# Allegro board 038RT-9068CJK8E-A100_0921.brd (continued)
## Footprints (pads in the part's own frame, mm; a bottom-side part is the same pattern mirrored in y, then rotated) (continued)
PG_3680_LPC128_B_SLOT3
  custom 0.305x0.305 hole 0.356 rot 135: A1(101.905,90.321) A3(101.905,94.321) A5(101.905,98.321) A7(101.905,102.321) A9(101.905,106.321) A11(101.905,110.321) A13(101.905,114.321) A15(101.905,118.321) A17(101.905,122.321) A19(101.905,126.321) A21(101.905,130.321) A23(101.905,134.321) A25(101.905,138.321) A27(101.905,142.321) B2(99.905,92.321) B4(99.905,96.321) B6(99.905,100.321) B8(99.905,104.321) B10(99.905,108.321) B12(99.905,112.321) B14(99.905,116.321) B16(99.905,120.321) B18(99.905,124.321) B20(99.905,128.321) B22(99.905,132.321) B24(99.905,136.321) B26(99.905,140.321) C1(97.905,90.321) C3(97.905,94.321) C5(97.905,98.321) C7(97.905,102.321) C9(97.905,106.321) C11(97.905,110.321) C13(97.905,114.321) C15(97.905,118.321) C17(97.905,122.321) C19(97.905,126.321) C21(97.905,130.321) C23(97.905,134.321) C25(97.905,138.321) C27(97.905,142.321) D2(95.905,92.321) D4(95.905,96.321) D6(95.905,100.321) D8(95.905,104.321) D10(95.905,108.321) D12(95.905,112.321) D14(95.905,116.321) D16(95.905,120.321) D18(95.905,124.321) D20(95.905,128.321) D22(95.905,132.321) D24(95.905,136.321) D26(95.905,140.321)
  round 0.864 hole 0.356: A2(101.905,92.321) A4(101.905,96.321) A6(101.905,100.321) A8(101.905,104.321) A10(101.905,108.321) A12(101.905,112.321) A14(101.905,116.321) A16(101.905,120.321) A18(101.905,124.321) A20(101.905,128.321) A22(101.905,132.321) A24(101.905,136.321) A26(101.905,140.321) B1(99.905,90.321) B3(99.905,94.321) B5(99.905,98.321) B7(99.905,102.321) B9(99.905,106.321) B11(99.905,110.321) B13(99.905,114.321) B15(99.905,118.321) B17(99.905,122.321) B19(99.905,126.321) B21(99.905,130.321) B23(99.905,134.321) B25(99.905,138.321) B27(99.905,142.321) C2(97.905,92.321) C4(97.905,96.321) C6(97.905,100.321) C8(97.905,104.321) C10(97.905,108.321) C12(97.905,112.321) C14(97.905,116.321) C16(97.905,120.321) C18(97.905,124.321) C20(97.905,128.321) C22(97.905,132.321) C24(97.905,136.321) C26(97.905,140.321) D1(95.905,90.321) D3(95.905,94.321) D5(95.905,98.321) D7(95.905,102.321) D9(95.905,106.321) D11(95.905,110.321) D13(95.905,114.321) D15(95.905,118.321) D17(95.905,122.321) D19(95.905,126.321) D21(95.905,130.321) D23(95.905,134.321) D25(95.905,138.321) D27(95.905,142.321) E1(93.142,91.546) E3(93.142,95.546) E5(93.142,99.546) E7(93.142,103.546) E9(93.142,107.546) E11(93.142,111.546) E13(93.142,115.546) E15(93.142,119.546) E17(93.142,123.546) E19(93.142,127.546) E21(93.142,131.546) E23(93.142,135.546) E25(93.142,139.546) F1(91.412,90.546) F3(91.412,94.546) F5(91.412,98.546) F7(91.412,102.546) F9(91.412,106.546) F11(91.412,110.546) F13(91.412,114.546) F15(91.412,118.546) F17(91.412,122.546) F19(91.412,126.546) F21(91.412,130.546) F23(91.412,134.546) F25(91.412,138.546) F27(91.412,142.546)
  custom 0.305x0.305 hole 0.356 rot 45: E2(93.142,93.546) E4(93.142,97.546) E6(93.142,101.546) E8(93.142,105.546) E10(93.142,109.546) E12(93.142,113.546) E14(93.142,117.546) E16(93.142,121.546) E18(93.142,125.546) E20(93.142,129.546) E22(93.142,133.546) E24(93.142,137.546) E26(93.142,141.546) F2(91.412,92.546) F4(91.412,96.546) F6(91.412,100.546) F8(91.412,104.546) F10(91.412,108.546) F12(91.412,112.546) F14(91.412,116.546) F16(91.412,120.546) F18(91.412,124.546) F20(91.412,128.546) F22(91.412,132.546) F24(91.412,136.546) F26(91.412,140.546)
PG_3680_LPC128_B_SLOT4
  custom 0.305x0.305 hole 0.356 rot 135: A1(-112.55,90.321) A3(-112.55,94.321) A5(-112.55,98.321) A7(-112.55,102.321) A9(-112.55,106.321) A11(-112.55,110.321) A13(-112.55,114.321) A15(-112.55,118.321) A17(-112.55,122.321) A19(-112.55,126.321) A21(-112.55,130.321) A23(-112.55,134.321) A25(-112.55,138.321) A27(-112.55,142.321) B2(-114.55,92.321) B4(-114.55,96.321) B6(-114.55,100.321) B8(-114.55,104.321) B10(-114.55,108.321) B12(-114.55,112.321) B14(-114.55,116.321) B16(-114.55,120.321) B18(-114.55,124.321) B20(-114.55,128.321) B22(-114.55,132.321) B24(-114.55,136.321) B26(-114.55,140.321) C1(-116.55,90.321) C3(-116.55,94.321) C5(-116.55,98.321) C7(-116.55,102.321) C9(-116.55,106.321) C11(-116.55,110.321) C13(-116.55,114.321) C15(-116.55,118.321) C17(-116.55,122.321) C19(-116.55,126.321) C21(-116.55,130.321) C23(-116.55,134.321) C25(-116.55,138.321) C27(-116.55,142.321) D2(-118.55,92.321) D4(-118.55,96.321) D6(-118.55,100.321) D8(-118.55,104.321) D10(-118.55,108.321) D12(-118.55,112.321) D14(-118.55,116.321) D16(-118.55,120.321) D18(-118.55,124.321) D20(-118.55,128.321) D22(-118.55,132.321) D24(-118.55,136.321) D26(-118.55,140.321)
  round 0.864 hole 0.356: A2(-112.55,92.321) A4(-112.55,96.321) A6(-112.55,100.321) A8(-112.55,104.321) A10(-112.55,108.321) A12(-112.55,112.321) A14(-112.55,116.321) A16(-112.55,120.321) A18(-112.55,124.321) A20(-112.55,128.321) A22(-112.55,132.321) A24(-112.55,136.321) A26(-112.55,140.321) B1(-114.55,90.321) B3(-114.55,94.321) B5(-114.55,98.321) B7(-114.55,102.321) B9(-114.55,106.321) B11(-114.55,110.321) B13(-114.55,114.321) B15(-114.55,118.321) B17(-114.55,122.321) B19(-114.55,126.321) B21(-114.55,130.321) B23(-114.55,134.321) B25(-114.55,138.321) B27(-114.55,142.321) C2(-116.55,92.321) C4(-116.55,96.321) C6(-116.55,100.321) C8(-116.55,104.321) C10(-116.55,108.321) C12(-116.55,112.321) C14(-116.55,116.321) C16(-116.55,120.321) C18(-116.55,124.321) C20(-116.55,128.321) C22(-116.55,132.321) C24(-116.55,136.321) C26(-116.55,140.321) D1(-118.55,90.321) D3(-118.55,94.321) D5(-118.55,98.321) D7(-118.55,102.321) D9(-118.55,106.321) D11(-118.55,110.321) D13(-118.55,114.321) D15(-118.55,118.321) D17(-118.55,122.321) D19(-118.55,126.321) D21(-118.55,130.321) D23(-118.55,134.321) D25(-118.55,138.321) D27(-118.55,142.321) E1(-121.313,91.546) E3(-121.313,95.546) E5(-121.313,99.546) E7(-121.313,103.546) E9(-121.313,107.546) E11(-121.313,111.546) E13(-121.313,115.546) E15(-121.313,119.546) E17(-121.313,123.546) E19(-121.313,127.546) E21(-121.313,131.546) E23(-121.313,135.546) E25(-121.313,139.546) F1(-123.043,90.546) F3(-123.043,94.546) F5(-123.043,98.546) F7(-123.043,102.546) F9(-123.043,106.546) F11(-123.043,110.546) F13(-123.043,114.546) F15(-123.043,118.546) F17(-123.043,122.546) F19(-123.043,126.546) F21(-123.043,130.546) F23(-123.043,134.546) F25(-123.043,138.546) F27(-123.043,142.546)
  custom 0.305x0.305 hole 0.356 rot 45: E2(-121.313,93.546) E4(-121.313,97.546) E6(-121.313,101.546) E8(-121.313,105.546) E10(-121.313,109.546) E12(-121.313,113.546) E14(-121.313,117.546) E16(-121.313,121.546) E18(-121.313,125.546) E20(-121.313,129.546) E22(-121.313,133.546) E24(-121.313,137.546) E26(-121.313,141.546) F2(-123.043,92.546) F4(-123.043,96.546) F6(-123.043,100.546) F8(-123.043,104.546) F10(-123.043,108.546) F12(-123.043,112.546) F14(-123.043,116.546) F16(-123.043,120.546) F18(-123.043,124.546) F20(-123.043,128.546) F22(-123.043,132.546) F24(-123.043,136.546) F26(-123.043,140.546)
PG_3680_LPC128_B_SLOT5
  custom 0.305x0.305 hole 0.356 rot 135: A1(126.925,90.321) A3(126.925,94.321) A5(126.925,98.321) A7(126.925,102.321) A9(126.925,106.321) A11(126.925,110.321) A13(126.925,114.321) A15(126.925,118.321) A17(126.925,122.321) A19(126.925,126.321) A21(126.925,130.321) A23(126.925,134.321) A25(126.925,138.321) A27(126.925,142.321) B2(124.925,92.321) B4(124.925,96.321) B6(124.925,100.321) B8(124.925,104.321) B10(124.925,108.321) B12(124.925,112.321) B14(124.925,116.321) B16(124.925,120.321) B18(124.925,124.321) B20(124.925,128.321) B22(124.925,132.321) B24(124.925,136.321) B26(124.925,140.321) C1(122.925,90.321) C3(122.925,94.321) C5(122.925,98.321) C7(122.925,102.321) C9(122.925,106.321) C11(122.925,110.321) C13(122.925,114.321) C15(122.925,118.321) C17(122.925,122.321) C19(122.925,126.321) C21(122.925,130.321) C23(122.925,134.321) C25(122.925,138.321) C27(122.925,142.321) D2(120.925,92.321) D4(120.925,96.321) D6(120.925,100.321) D8(120.925,104.321) D10(120.925,108.321) D12(120.925,112.321) D14(120.925,116.321) D16(120.925,120.321) D18(120.925,124.321) D20(120.925,128.321) D22(120.925,132.321) D24(120.925,136.321) D26(120.925,140.321)
  round 0.864 hole 0.356: A2(126.925,92.321) A4(126.925,96.321) A6(126.925,100.321) A8(126.925,104.321) A10(126.925,108.321) A12(126.925,112.321) A14(126.925,116.321) A16(126.925,120.321) A18(126.925,124.321) A20(126.925,128.321) A22(126.925,132.321) A24(126.925,136.321) A26(126.925,140.321) B1(124.925,90.321) B3(124.925,94.321) B5(124.925,98.321) B7(124.925,102.321) B9(124.925,106.321) B11(124.925,110.321) B13(124.925,114.321) B15(124.925,118.321) B17(124.925,122.321) B19(124.925,126.321) B21(124.925,130.321) B23(124.925,134.321) B25(124.925,138.321) B27(124.925,142.321) C2(122.925,92.321) C4(122.925,96.321) C6(122.925,100.321) C8(122.925,104.321) C10(122.925,108.321) C12(122.925,112.321) C14(122.925,116.321) C16(122.925,120.321) C18(122.925,124.321) C20(122.925,128.321) C22(122.925,132.321) C24(122.925,136.321) C26(122.925,140.321) D1(120.925,90.321) D3(120.925,94.321) D5(120.925,98.321) D7(120.925,102.321) D9(120.925,106.321) D11(120.925,110.321) D13(120.925,114.321) D15(120.925,118.321) D17(120.925,122.321) D19(120.925,126.321) D21(120.925,130.321) D23(120.925,134.321) D25(120.925,138.321) D27(120.925,142.321) E1(118.162,91.546) E3(118.162,95.546) E5(118.162,99.546) E7(118.162,103.546) E9(118.162,107.546) E11(118.162,111.546) E13(118.162,115.546) E15(118.162,119.546) E17(118.162,123.546) E19(118.162,127.546) E21(118.162,131.546) E23(118.162,135.546) E25(118.162,139.546) F1(116.432,90.546) F3(116.432,94.546) F5(116.432,98.546) F7(116.432,102.546) F9(116.432,106.546) F11(116.432,110.546) F13(116.432,114.546) F15(116.432,118.546) F17(116.432,122.546) F19(116.432,126.546) F21(116.432,130.546) F23(116.432,134.546) F25(116.432,138.546) F27(116.432,142.546)
  custom 0.305x0.305 hole 0.356 rot 45: E2(118.162,93.546) E4(118.162,97.546) E6(118.162,101.546) E8(118.162,105.546) E10(118.162,109.546) E12(118.162,113.546) E14(118.162,117.546) E16(118.162,121.546) E18(118.162,125.546) E20(118.162,129.546) E22(118.162,133.546) E24(118.162,137.546) E26(118.162,141.546) F2(116.432,92.546) F4(116.432,96.546) F6(116.432,100.546) F8(116.432,104.546) F10(116.432,108.546) F12(116.432,112.546) F14(116.432,116.546) F16(116.432,120.546) F18(116.432,124.546) F20(116.432,128.546) F22(116.432,132.546) F24(116.432,136.546) F26(116.432,140.546)
PG_3680_LPC128_B_SLOT6
  custom 0.305x0.305 hole 0.356 rot 135: A1(-137.57,90.321) A3(-137.57,94.321) A5(-137.57,98.321) A7(-137.57,102.321) A9(-137.57,106.321) A11(-137.57,110.321) A13(-137.57,114.321) A15(-137.57,118.321) A17(-137.57,122.321) A19(-137.57,126.321) A21(-137.57,130.321) A23(-137.57,134.321) A25(-137.57,138.321) A27(-137.57,142.321) B2(-139.57,92.321) B4(-139.57,96.321) B6(-139.57,100.321) B8(-139.57,104.321) B10(-139.57,108.321) B12(-139.57,112.321) B14(-139.57,116.321) B16(-139.57,120.321) B18(-139.57,124.321) B20(-139.57,128.321) B22(-139.57,132.321) B24(-139.57,136.321) B26(-139.57,140.321) C1(-141.57,90.321) C3(-141.57,94.321) C5(-141.57,98.321) C7(-141.57,102.321) C9(-141.57,106.321) C11(-141.57,110.321) C13(-141.57,114.321) C15(-141.57,118.321) C17(-141.57,122.321) C19(-141.57,126.321) C21(-141.57,130.321) C23(-141.57,134.321) C25(-141.57,138.321) C27(-141.57,142.321) D2(-143.57,92.321) D4(-143.57,96.321) D6(-143.57,100.321) D8(-143.57,104.321) D10(-143.57,108.321) D12(-143.57,112.321) D14(-143.57,116.321) D16(-143.57,120.321) D18(-143.57,124.321) D20(-143.57,128.321) D22(-143.57,132.321) D24(-143.57,136.321) D26(-143.57,140.321)
  round 0.864 hole 0.356: A2(-137.57,92.321) A4(-137.57,96.321) A6(-137.57,100.321) A8(-137.57,104.321) A10(-137.57,108.321) A12(-137.57,112.321) A14(-137.57,116.321) A16(-137.57,120.321) A18(-137.57,124.321) A20(-137.57,128.321) A22(-137.57,132.321) A24(-137.57,136.321) A26(-137.57,140.321) B1(-139.57,90.321) B3(-139.57,94.321) B5(-139.57,98.321) B7(-139.57,102.321) B9(-139.57,106.321) B11(-139.57,110.321) B13(-139.57,114.321) B15(-139.57,118.321) B17(-139.57,122.321) B19(-139.57,126.321) B21(-139.57,130.321) B23(-139.57,134.321) B25(-139.57,138.321) B27(-139.57,142.321) C2(-141.57,92.321) C4(-141.57,96.321) C6(-141.57,100.321) C8(-141.57,104.321) C10(-141.57,108.321) C12(-141.57,112.321) C14(-141.57,116.321) C16(-141.57,120.321) C18(-141.57,124.321) C20(-141.57,128.321) C22(-141.57,132.321) C24(-141.57,136.321) C26(-141.57,140.321) D1(-143.57,90.321) D3(-143.57,94.321) D5(-143.57,98.321) D7(-143.57,102.321) D9(-143.57,106.321) D11(-143.57,110.321) D13(-143.57,114.321) D15(-143.57,118.321) D17(-143.57,122.321) D19(-143.57,126.321) D21(-143.57,130.321) D23(-143.57,134.321) D25(-143.57,138.321) D27(-143.57,142.321) E1(-146.333,91.546) E3(-146.333,95.546) E5(-146.333,99.546) E7(-146.333,103.546) E9(-146.333,107.546) E11(-146.333,111.546) E13(-146.333,115.546) E15(-146.333,119.546) E17(-146.333,123.546) E19(-146.333,127.546) E21(-146.333,131.546) E23(-146.333,135.546) E25(-146.333,139.546) F1(-148.063,90.546) F3(-148.063,94.546) F5(-148.063,98.546) F7(-148.063,102.546) F9(-148.063,106.546) F11(-148.063,110.546) F13(-148.063,114.546) F15(-148.063,118.546) F17(-148.063,122.546) F19(-148.063,126.546) F21(-148.063,130.546) F23(-148.063,134.546) F25(-148.063,138.546) F27(-148.063,142.546)
  custom 0.305x0.305 hole 0.356 rot 45: E2(-146.333,93.546) E4(-146.333,97.546) E6(-146.333,101.546) E8(-146.333,105.546) E10(-146.333,109.546) E12(-146.333,113.546) E14(-146.333,117.546) E16(-146.333,121.546) E18(-146.333,125.546) E20(-146.333,129.546) E22(-146.333,133.546) E24(-146.333,137.546) E26(-146.333,141.546) F2(-148.063,92.546) F4(-148.063,96.546) F6(-148.063,100.546) F8(-148.063,104.546) F10(-148.063,108.546) F12(-148.063,112.546) F14(-148.063,116.546) F16(-148.063,120.546) F18(-148.063,124.546) F20(-148.063,128.546) F22(-148.063,132.546) F24(-148.063,136.546) F26(-148.063,140.546)
PG_3680_LPC128_B_SLOT7
  custom 0.305x0.305 hole 0.356 rot 135: A1(151.945,90.321) A3(151.945,94.321) A5(151.945,98.321) A7(151.945,102.321) A9(151.945,106.321) A11(151.945,110.321) A13(151.945,114.321) A15(151.945,118.321) A17(151.945,122.321) A19(151.945,126.321) A21(151.945,130.321) A23(151.945,134.321) A25(151.945,138.321) A27(151.945,142.321) B2(149.945,92.321) B4(149.945,96.321) B6(149.945,100.321) B8(149.945,104.321) B10(149.945,108.321) B12(149.945,112.321) B14(149.945,116.321) B16(149.945,120.321) B18(149.945,124.321) B20(149.945,128.321) B22(149.945,132.321) B24(149.945,136.321) B26(149.945,140.321) C1(147.945,90.321) C3(147.945,94.321) C5(147.945,98.321) C7(147.945,102.321) C9(147.945,106.321) C11(147.945,110.321) C13(147.945,114.321) C15(147.945,118.321) C17(147.945,122.321) C19(147.945,126.321) C21(147.945,130.321) C23(147.945,134.321) C25(147.945,138.321) C27(147.945,142.321) D2(145.945,92.321) D4(145.945,96.321) D6(145.945,100.321) D8(145.945,104.321) D10(145.945,108.321) D12(145.945,112.321) D14(145.945,116.321) D16(145.945,120.321) D18(145.945,124.321) D20(145.945,128.321) D22(145.945,132.321) D24(145.945,136.321) D26(145.945,140.321)
  round 0.864 hole 0.356: A2(151.945,92.321) A4(151.945,96.321) A6(151.945,100.321) A8(151.945,104.321) A10(151.945,108.321) A12(151.945,112.321) A14(151.945,116.321) A16(151.945,120.321) A18(151.945,124.321) A20(151.945,128.321) A22(151.945,132.321) A24(151.945,136.321) A26(151.945,140.321) B1(149.945,90.321) B3(149.945,94.321) B5(149.945,98.321) B7(149.945,102.321) B9(149.945,106.321) B11(149.945,110.321) B13(149.945,114.321) B15(149.945,118.321) B17(149.945,122.321) B19(149.945,126.321) B21(149.945,130.321) B23(149.945,134.321) B25(149.945,138.321) B27(149.945,142.321) C2(147.945,92.321) C4(147.945,96.321) C6(147.945,100.321) C8(147.945,104.321) C10(147.945,108.321) C12(147.945,112.321) C14(147.945,116.321) C16(147.945,120.321) C18(147.945,124.321) C20(147.945,128.321) C22(147.945,132.321) C24(147.945,136.321) C26(147.945,140.321) D1(145.945,90.321) D3(145.945,94.321) D5(145.945,98.321) D7(145.945,102.321) D9(145.945,106.321) D11(145.945,110.321) D13(145.945,114.321) D15(145.945,118.321) D17(145.945,122.321) D19(145.945,126.321) D21(145.945,130.321) D23(145.945,134.321) D25(145.945,138.321) D27(145.945,142.321) E1(143.182,91.546) E3(143.182,95.546) E5(143.182,99.546) E7(143.182,103.546) E9(143.182,107.546) E11(143.182,111.546) E13(143.182,115.546) E15(143.182,119.546) E17(143.182,123.546) E19(143.182,127.546) E21(143.182,131.546) E23(143.182,135.546) E25(143.182,139.546) F1(141.452,90.546) F3(141.452,94.546) F5(141.452,98.546) F7(141.452,102.546) F9(141.452,106.546) F11(141.452,110.546) F13(141.452,114.546) F15(141.452,118.546) F17(141.452,122.546) F19(141.452,126.546) F21(141.452,130.546) F23(141.452,134.546) F25(141.452,138.546) F27(141.452,142.546)
  custom 0.305x0.305 hole 0.356 rot 45: E2(143.182,93.546) E4(143.182,97.546) E6(143.182,101.546) E8(143.182,105.546) E10(143.182,109.546) E12(143.182,113.546) E14(143.182,117.546) E16(143.182,121.546) E18(143.182,125.546) E20(143.182,129.546) E22(143.182,133.546) E24(143.182,137.546) E26(143.182,141.546) F2(141.452,92.546) F4(141.452,96.546) F6(141.452,100.546) F8(141.452,104.546) F10(141.452,108.546) F12(141.452,112.546) F14(141.452,116.546) F16(141.452,120.546) F18(141.452,124.546) F20(141.452,128.546) F22(141.452,132.546) F24(141.452,136.546) F26(141.452,140.546)
PG_3680_SYS_SLOT18
  round 0.864 hole 0.356: A1(4.591,-143.609) A2(4.591,-141.609) A3(4.591,-139.609) A4(4.591,-137.609) A7(4.591,-131.609) A8(4.591,-129.609) A10(4.591,-125.609) A11(4.591,-123.609) A12(4.591,-121.609) A14(4.591,-117.609) A15(4.591,-115.609) A16(4.591,-113.609) A17(4.591,-111.609) A18(4.591,-109.609) A19(4.591,-107.609) A20(4.591,-105.609) A21(4.591,-103.609) A22(4.591,-101.609) A24(4.591,-97.609) B1(2.591,-143.609) B2(2.591,-141.609) B3(2.591,-139.609) B4(2.591,-137.609) B5(2.591,-135.609) B7(2.591,-131.609) B10(2.591,-125.609) B12(2.591,-121.609) B14(2.591,-117.609) B16(2.591,-113.609) B17(2.591,-111.609) B18(2.591,-109.609) B19(2.591,-107.609) B20(2.591,-105.609) B23(2.591,-99.609) C3(0.591,-139.609) C4(0.591,-137.609) C5(0.591,-135.609) C7(0.591,-131.609) C8(0.591,-129.609) C10(0.591,-125.609) C12(0.591,-121.609) C14(0.591,-117.609) C16(0.591,-113.609) C18(0.591,-109.609) C19(0.591,-107.609) C21(0.591,-103.609) C22(0.591,-101.609) C24(0.591,-97.609) D9(-1.409,-127.609) D10(-1.409,-125.609) D11(-1.409,-123.609) D12(-1.409,-121.609) D14(-1.409,-117.609) D15(-1.409,-115.609) D16(-1.409,-113.609) D17(-1.409,-111.609) D19(-1.409,-107.609) D20(-1.409,-105.609) D21(-1.409,-103.609) D22(-1.409,-101.609) D24(-1.409,-97.609)
  custom 0.305x0.305 hole 0.356 rot 135: A5(4.591,-135.609) A6(4.591,-133.609) A9(4.591,-127.609) A13(4.591,-119.609) A23(4.591,-99.609) B6(2.591,-133.609) B8(2.591,-129.609) B9(2.591,-127.609) B11(2.591,-123.609) B13(2.591,-119.609) B15(2.591,-115.609) B21(2.591,-103.609) B22(2.591,-101.609) B24(2.591,-97.609) C1(0.591,-143.609) C2(0.591,-141.609) C6(0.591,-133.609) C9(0.591,-127.609) C11(0.591,-123.609) C13(0.591,-119.609) C15(0.591,-115.609) C17(0.591,-111.609) C20(0.591,-105.609) C23(0.591,-99.609) D1(-1.409,-143.609) D2(-1.409,-141.609) D3(-1.409,-139.609) D4(-1.409,-137.609) D5(-1.409,-135.609) D6(-1.409,-133.609) D7(-1.409,-131.609) D8(-1.409,-129.609) D13(-1.409,-119.609) D18(-1.409,-109.609) D23(-1.409,-99.609)
PG_TDJ750_F_ME_OUTLINE_1024P_V2
  round 0.508 hole 5.842 unplated: (-157.277,59.055) (-138.227,-59.055) (138.227,-59.055) (157.277,59.055)
  round 0.508 hole 6.35 unplated: (-154.737,-59.055)
  round 0.508 hole 7.925x12.7 unplated: (154.737,-59.055)
PROTECTOR_CONN_SPECIFIC_2PORT
  round 0.508 hole 2.21 unplated: (-21,0) (21,0)
R0201
  rect 0.305x0.356 smd: 1(-0.3,0) 2(0.3,0)
R0402
  custom 0.15x0.15 smd: 1(-0.5,0) 2(0.5,0)
R0402_H0P83MM
  rect 0.66x0.66 smd: 1(-0.485,0) 2(0.485,0)
R0603
  rect 0.889x0.889 smd: 1(-0.85,0) 2(0.85,0)
R0805
  rect 1.118x1.372 smd: 1(-0.95,0) 2(0.95,0)
R1206
  rect 1.321x1.829 smd: 1(-1.25,0) 2(1.25,0)
R1210
  rect 1.27x2.794 smd: 1(-1.524,0) 2(1.524,0)
R2512
  rect 2.032x3.556 smd: 1(-2.794,0) 2(2.794,0)
RJ45_1X1D90_8P_PROTECTOR
  oval 2x6.5 hole 1x5.5: GH1(-8.75,0) GH2(8.75,0)
RL_NAL_12V
  rect 1.626x1.626 hole 1.041: 1(5.08,2.54)
  round 1.626 hole 1.041: 3(0,2.54) 4(-2.54,2.54) 5(-5.08,2.54) 8(-5.08,-2.54) 9(-2.54,-2.54) 10(0,-2.54) 12(5.08,-2.54)
RL_NECUA2_12V_V2
  rect 1.626x1.626 hole 1.041: 1(3.6,1.6)
  round 1.626 hole 1.041: 2(0.4,1.6) 3(-1.8,1.6) 4(-4,1.6) 5(-4,-1.6) 6(-1.8,-1.6) 7(0.4,-1.6) 8(3.6,-1.6)
SK_QFN8X8_68P_0P4MM_ISC
  round 0.508 hole 1.626 unplated: (-17,17) (-17,-17) (17,17) (17,-17)
  rect 1.2x0.3 smd: 1(-4.22,3.2) 2(-4.22,2.8) 3(-4.22,2.4) 4(-4.22,2) 5(-4.22,1.6) 6(-4.22,1.2) 7(-4.22,0.8) 8(-4.22,0.4) 9(-4.22,0) 10(-4.22,-0.4) 11(-4.22,-0.8) 12(-4.22,-1.2) 13(-4.22,-1.6) 14(-4.22,-2) 15(-4.22,-2.4) 16(-4.22,-2.8) 17(-4.22,-3.2) 35(4.22,-3.2) 36(4.22,-2.8) 37(4.22,-2.4) 38(4.22,-2) 39(4.22,-1.6) 40(4.22,-1.2) 41(4.22,-0.8) 42(4.22,-0.4) 43(4.22,0) 44(4.22,0.4) 45(4.22,0.8) 46(4.22,1.2) 47(4.22,1.6) 48(4.22,2) 49(4.22,2.4) 50(4.22,2.8) 51(4.22,3.2)
  rect 0.3x1.2 smd: 18(-3.2,-4.22) 19(-2.8,-4.22) 20(-2.4,-4.22) 21(-2,-4.22) 22(-1.6,-4.22) 23(-1.2,-4.22) 24(-0.8,-4.22) 25(-0.4,-4.22) 26(0,-4.22) 27(0.4,-4.22) 28(0.8,-4.22) 29(1.2,-4.22) 30(1.6,-4.22) 31(2,-4.22) 32(2.4,-4.22) 33(2.8,-4.22) 34(3.2,-4.22) 52(3.2,4.22) 53(2.8,4.22) 54(2.4,4.22) 55(2,4.22) 56(1.6,4.22) 57(1.2,4.22) 58(0.8,4.22) 59(0.4,4.22) 60(0,4.22) 61(-0.4,4.22) 62(-0.8,4.22) 63(-1.2,4.22) 64(-1.6,4.22) 65(-2,4.22) 66(-2.4,4.22) 67(-2.8,4.22) 68(-3.2,4.22)
  rect 4.4x4.4 smd: EP(0,0)
  round 0.61 hole 0.305: G1(-1.8,1.9) G2(-0.9,1.9) G3(0,1.9) G4(0.9,1.9) G5(1.8,1.9) G6(-1.8,1.1) G7(-0.9,1.1) G8(0,1.1) G9(0.9,1.1) G10(1.8,1.1) G11(-0.5,0.4) G12(0.5,0.4) G13(-0.5,-0.4) G14(0.5,-0.4) G15(-1.8,-1.1) G16(-0.9,-1.1) G17(0,-1.1) G18(0.9,-1.1) G19(1.8,-1.1) G20(-1.8,-1.9) G21(-0.9,-1.9) G22(0,-1.9) G23(0.9,-1.9) G24(1.8,-1.9)
  round 6.35 hole 4.293: NUT1(-12.7,12.7) NUT2(12.7,12.7) NUT3(-12.7,-12.7) NUT4(12.7,-12.7)
SK_SO8_1P27MM_LOTES
  rect 0.508x5.08 smd: 1(-1.91,-5.3) 2(-0.64,-5.3) 3(0.63,-5.3) 4(1.9,-5.3) 5(1.91,5.3) 6(0.64,5.3) 7(-0.63,5.3) 8(-1.9,5.3)
SK_VFBGA273P_0P8MM_90684D
  round 0.508 hole 1.626 unplated: (-13,13) (-13,-13) (13,13) (13,-13)
  round 0.6 smd: A1(-7.2,7.2) A2(-6.4,7.2) A3(-5.6,7.2) A4(-4.8,7.2) A5(-4,7.2) A6(-3.2,7.2) A7(-2.4,7.2) A8(-1.6,7.2) A9(-0.8,7.2) A10(0,7.2) A11(0.8,7.2) A12(1.6,7.2) A13(2.4,7.2) A14(3.2,7.2) A15(4,7.2) A16(4.8,7.2) A17(5.6,7.2) A18(6.4,7.2) A19(7.2,7.2) B1(-7.2,6.4) B2(-6.4,6.4) B3(-5.6,6.4) B4(-4.8,6.4) B5(-4,6.4) B6(-3.2,6.4) B7(-2.4,6.4) B8(-1.6,6.4) B9(-0.8,6.4) B10(0,6.4) B11(0.8,6.4) B12(1.6,6.4) B13(2.4,6.4) B14(3.2,6.4) B15(4,6.4) B16(4.8,6.4) B17(5.6,6.4) B18(6.4,6.4) B19(7.2,6.4) C1(-7.2,5.6) C2(-6.4,5.6) C18(6.4,5.6) C19(7.2,5.6) D1(-7.2,4.8) D2(-6.4,4.8) D4(-4.8,4.8) D5(-4,4.8) D6(-3.2,4.8) D7(-2.4,4.8) D8(-1.6,4.8) D9(-0.8,4.8) D10(0,4.8) D11(0.8,4.8) D12(1.6,4.8) D13(2.4,4.8) D14(3.2,4.8) D15(4,4.8) D16(4.8,4.8) D18(6.4,4.8) D19(7.2,4.8) E1(-7.2,4) E2(-6.4,4) E4(-4.8,4) E5(-4,4) E6(-3.2,4) E7(-2.4,4) E8(-1.6,4) E9(-0.8,4) E10(0,4) E11(0.8,4) E12(1.6,4) E13(2.4,4) E14(3.2,4) E15(4,4) E16(4.8,4) E18(6.4,4) E19(7.2,4) F1(-7.2,3.2) F2(-6.4,3.2) F4(-4.8,3.2) F5(-4,3.2) F15(4,3.2) F16(4.8,3.2) F18(6.4,3.2) F19(7.2,3.2) G1(-7.2,2.4) G2(-6.4,2.4) G4(-4.8,2.4) G5(-4,2.4) G7(-2.4,2.4) G8(-1.6,2.4) G9(-0.8,2.4) G10(0,2.4) G11(0.8,2.4) G12(1.6,2.4) G13(2.4,2.4) G15(4,2.4) G16(4.8,2.4) G18(6.4,2.4) G19(7.2,2.4) H1(-7.2,1.6) H2(-6.4,1.6) H4(-4.8,1.6) H5(-4,1.6) H7(-2.4,1.6) H8(-1.6,1.6) H9(-0.8,1.6) H10(0,1.6) H11(0.8,1.6) H12(1.6,1.6) H13(2.4,1.6) H15(4,1.6) H16(4.8,1.6) H18(6.4,1.6) H19(7.2,1.6) J1(-7.2,0.8) J2(-6.4,0.8) J4(-4.8,0.8) J5(-4,0.8) J7(-2.4,0.8) J8(-1.6,0.8) J9(-0.8,0.8) J10(0,0.8) J11(0.8,0.8) J12(1.6,0.8) J13(2.4,0.8) J15(4,0.8) J16(4.8,0.8) J18(6.4,0.8) J19(7.2,0.8) K1(-7.2,0) K2(-6.4,0) K4(-4.8,0) K5(-4,0) K7(-2.4,0) K8(-1.6,0) K9(-0.8,0) K10(0,0) K11(0.8,0) K12(1.6,0) K13(2.4,0) K15(4,0) K16(4.8,0) K18(6.4,0) K19(7.2,0) L1(-7.2,-0.8) L2(-6.4,-0.8) L4(-4.8,-0.8) L5(-4,-0.8) L7(-2.4,-0.8) L8(-1.6,-0.8) L9(-0.8,-0.8) L10(0,-0.8) L11(0.8,-0.8) L12(1.6,-0.8) L13(2.4,-0.8) L15(4,-0.8) L16(4.8,-0.8) L18(6.4,-0.8) L19(7.2,-0.8) M1(-7.2,-1.6) M2(-6.4,-1.6) M4(-4.8,-1.6) M5(-4,-1.6) M7(-2.4,-1.6) M8(-1.6,-1.6) M9(-0.8,-1.6) M10(0,-1.6) M11(0.8,-1.6) M12(1.6,-1.6) M13(2.4,-1.6) M15(4,-1.6) M16(4.8,-1.6) M18(6.4,-1.6) M19(7.2,-1.6) N1(-7.2,-2.4) N2(-6.4,-2.4) N4(-4.8,-2.4) N5(-4,-2.4) N7(-2.4,-2.4) N8(-1.6,-2.4) N9(-0.8,-2.4) N10(0,-2.4) N11(0.8,-2.4) N12(1.6,-2.4) N13(2.4,-2.4) N15(4,-2.4) N16(4.8,-2.4) N18(6.4,-2.4) N19(7.2,-2.4) P1(-7.2,-3.2) P2(-6.4,-3.2) P4(-4.8,-3.2) P5(-4,-3.2) P15(4,-3.2) P16(4.8,-3.2) P18(6.4,-3.2) P19(7.2,-3.2) R1(-7.2,-4) R2(-6.4,-4) R4(-4.8,-4) R5(-4,-4) R6(-3.2,-4) R7(-2.4,-4) R8(-1.6,-4) R9(-0.8,-4) R10(0,-4) R11(0.8,-4) R12(1.6,-4) R13(2.4,-4) R14(3.2,-4) R15(4,-4) R16(4.8,-4) R18(6.4,-4) R19(7.2,-4) T1(-7.2,-4.8) T2(-6.4,-4.8) T4(-4.8,-4.8) T5(-4,-4.8) T6(-3.2,-4.8) T7(-2.4,-4.8) T8(-1.6,-4.8) T9(-0.8,-4.8) T10(0,-4.8) T11(0.8,-4.8) T12(1.6,-4.8) T13(2.4,-4.8) T14(3.2,-4.8) T15(4,-4.8) T16(4.8,-4.8) T18(6.4,-4.8) T19(7.2,-4.8) U1(-7.2,-5.6) U2(-6.4,-5.6) U18(6.4,-5.6) U19(7.2,-5.6) V1(-7.2,-6.4) V2(-6.4,-6.4) V3(-5.6,-6.4) V4(-4.8,-6.4) V5(-4,-6.4) V6(-3.2,-6.4) V7(-2.4,-6.4) V8(-1.6,-6.4) V9(-0.8,-6.4) V10(0,-6.4) V11(0.8,-6.4) V12(1.6,-6.4) V13(2.4,-6.4) V14(3.2,-6.4) V15(4,-6.4) V16(4.8,-6.4) V17(5.6,-6.4) V18(6.4,-6.4) V19(7.2,-6.4) W1(-7.2,-7.2) W2(-6.4,-7.2) W3(-5.6,-7.2) W4(-4.8,-7.2) W5(-4,-7.2) W6(-3.2,-7.2) W7(-2.4,-7.2) W8(-1.6,-7.2) W9(-0.8,-7.2) W10(0,-7.2) W11(0.8,-7.2) W12(1.6,-7.2) W13(2.4,-7.2) W14(3.2,-7.2) W15(4,-7.2) W16(4.8,-7.2) W17(5.6,-7.2) W18(6.4,-7.2) W19(7.2,-7.2)
  round 5.512 hole 4.293: NUT1(-17.15,17.15) NUT2(17.15,17.15) NUT3(-17.15,-17.15) NUT4(17.15,-17.15)
SO8_206X127MM
  rect 1.905x1.143 smd: 1(-2.616,2.095) 4(-2.616,-2.095) 5(2.616,-2.095) 8(2.616,2.095)
  rect 1.905x0.762 smd: 2(-2.616,0.635) 3(-2.616,-0.635) 6(2.616,-0.635) 7(2.616,0.635)
SOCKET_BASE_400X210MM_90684D
  round 7.493 hole 4.293: NUT1(-181,82) NUT2(181,82) NUT3(-181,-82) NUT4(181,-82)
SOCKET_CODE
  round 0.051 smd: 1(0,0)
SOT223
  rect 1.016x2.794 smd: 1(-2.311,-3.531) 2(0,-3.531) 3(2.311,-3.531)
  rect 4.064x2.032 smd: 4(0,3.15)
TO252_123
  rect 1.524x3.048 smd: 1(-2.286,-4.267) 3(2.286,-4.267)
  rect 6.731x6.731 smd: 2(0,2.4)
TP_040_T
  round 1.016 smd: 1(0,0)
TP_060_040
  round 1.524 hole 1.016: 1(0,0)
TPL_040_014_TB
  round 1.016 hole 0.356: 1(0,0)
TQFN9X3P5_42P_0P5MM_EP
  rect 1.397x0.305 smd: 1(-1.991,4) 2(-1.991,3.5) 3(-1.991,3) 4(-1.991,2.5) 5(-1.991,2) 6(-1.991,1.5) 7(-1.991,1) 8(-1.991,0.5) 9(-1.991,0) 10(-1.991,-0.5) 11(-1.991,-1) 12(-1.991,-1.5) 13(-1.991,-2) 14(-1.991,-2.5) 15(-1.991,-3) 16(-1.991,-3.5) 17(-1.991,-4) 22(1.991,-4) 23(1.991,-3.5) 24(1.991,-3) 25(1.991,-2.5) 26(1.991,-2) 27(1.991,-1.5) 28(1.991,-1) 29(1.991,-0.5) 30(1.991,0) 31(1.991,0.5) 32(1.991,1) 33(1.991,1.5) 34(1.991,2) 35(1.991,2.5) 36(1.991,3) 37(1.991,3.5) 38(1.991,4)
  rect 0.305x1.397 smd: 18(-0.75,-4.74) 19(-0.25,-4.74) 20(0.25,-4.74) 21(0.75,-4.74) 39(0.75,4.74) 40(0.25,4.74) 41(-0.25,4.74) 42(-0.75,4.74)
  custom 0.537x0.537 smd: EP(0,0)
TRANS_7490100161A_16P
  rect 0.635x1.524 smd: 1(-4.445,-4.3) 2(-3.175,-4.3) 3(-1.905,-4.3) 4(-0.635,-4.3) 5(0.635,-4.3) 6(1.905,-4.3) 7(3.175,-4.3) 8(4.445,-4.3) 9(4.445,4.3) 10(3.175,4.3) 11(1.905,4.3) 12(0.635,4.3) 13(-0.635,4.3) 14(-1.905,4.3) 15(-3.175,4.3) 16(-4.445,4.3)
TRANS_POWERPAK_8P
  rect 1.27x0.61 smd: 1(-2.67,1.905) 2(-2.67,0.635) 3(-2.67,-0.635) 4(-2.67,-1.905)
  rect 1.016x0.61 smd: 5(2.795,-1.905) 6(2.795,-0.635) 7(2.795,0.635) 8(2.795,1.905)
  rect 3.81x1.651 smd: 9(0.69,1.13) 10(0.69,-1.13)
TRANS_VSON8_3P3X3P3_0P65MM
  rect 0.508x1.016 smd: 1(-0.974,-1.633) 2(-0.324,-1.633) 3(0.326,-1.633) 4(0.976,-1.633) 5(0.976,1.627) 6(0.326,1.627) 7(-0.324,1.627) 8(-0.974,1.627)
  rect 2.54x1.905 smd: EP(0,0.39)
TSOP64_280X05MM
  rect 1.524x0.305 smd: 1(-3.855,7.75) 2(-3.855,7.25) 3(-3.855,6.75) 4(-3.855,6.25) 5(-3.855,5.75) 6(-3.855,5.25) 7(-3.855,4.75) 8(-3.855,4.25) 9(-3.855,3.75) 10(-3.855,3.25) 11(-3.855,2.75) 12(-3.855,2.25) 13(-3.855,1.75) 14(-3.855,1.25) 15(-3.855,0.75) 16(-3.855,0.25) 17(-3.855,-0.25) 18(-3.855,-0.75) 19(-3.855,-1.25) 20(-3.855,-1.75) 21(-3.855,-2.25) 22(-3.855,-2.75) 23(-3.855,-3.25) 24(-3.855,-3.75) 25(-3.855,-4.25) 26(-3.855,-4.75) 27(-3.855,-5.25) 28(-3.855,-5.75) 29(-3.855,-6.25) 30(-3.855,-6.75) 31(-3.855,-7.25) 32(-3.855,-7.75) 33(3.855,-7.75) 34(3.855,-7.25) 35(3.855,-6.75) 36(3.855,-6.25) 37(3.855,-5.75) 38(3.855,-5.25) 39(3.855,-4.75) 40(3.855,-4.25) 41(3.855,-3.75) 42(3.855,-3.25) 43(3.855,-2.75) 44(3.855,-2.25) 45(3.855,-1.75) 46(3.855,-1.25) 47(3.855,-0.75) 48(3.855,-0.25) 49(3.855,0.25) 50(3.855,0.75) 51(3.855,1.25) 52(3.855,1.75) 53(3.855,2.25) 54(3.855,2.75) 55(3.855,3.25) 56(3.855,3.75) 57(3.855,4.25) 58(3.855,4.75) 59(3.855,5.25) 60(3.855,5.75) 61(3.855,6.25) 62(3.855,6.75) 63(3.855,7.25) 64(3.855,7.75)
VSSOP10_173X05MM
  rect 1.524x0.381 smd: 1(-2.2,1.04) 5(-2.2,-1.04) 6(2.2,-1.04) 10(2.2,1.04)
  rect 1.524x0.305 smd: 2(-2.2,0.5) 3(-2.2,0) 4(-2.2,-0.5) 7(2.2,-0.5) 8(2.2,0) 9(2.2,0.5)
WQFN4X4_16P_0P65MM_EP_TI
  rect 0.85x0.35 smd: 1(-1.975,0.975) 2(-1.975,0.325) 3(-1.975,-0.325) 4(-1.975,-0.975) 9(1.975,-0.975) 10(1.975,-0.325) 11(1.975,0.325) 12(1.975,0.975)
  rect 0.35x0.85 smd: 5(-0.975,-1.975) 6(-0.325,-1.975) 7(0.325,-1.975) 8(0.975,-1.975) 13(0.975,1.975) 14(0.325,1.975) 15(-0.325,1.975) 16(-0.975,1.975)
  rect 2.7x2.7 smd: EP(0,0)
XTAL_2X2P5MM_4P_NDK
  rect 1.2x1 smd: 1(-0.85,-0.65) 2(0.85,-0.65) 3(0.85,0.65) 4(-0.85,0.65)

## Nets
AGND: BDB1.1 BDB2.1 BDB3.1 BDB4.1 BDB5.1 BDB6.1 BDB7.1 BDB8.1 CTO_DGS00.2 CTO_DGS01.2 CTO_DGS02.2 CTO_DGS03.2 CTO_DGS04.2 CTO_DGS05.2 CTO_DGS06.2 CTO_DGS07.2 CTO_DGS08.2 CTO_DGS09.2 CTO_DGS10.2 CTO_DGS11.2 CTO_DGS12.2 CTO_DGS13.2 CTO_DGS14.2 CTO_DGS15.2 CTO_DGS16.2 CTO_DGS17.2 CTO_DGS18.2 CTO_DGS19.2 CTO_DGS20.2 CTO_DGS21.2 CTO_DGS22.2 CTO_DGS23.2 CTO_DGS24.2 CTO_DGS25.2 CTO_DGS26.2 CTO_DGS27.2 CTO_DGS28.2 CTO_DGS29.2 CTO_DGS30.2 CTO_DGS31.2 SLOT16.B2 SLOT16.B5 SLOT16.B8 SLOT16.B11 SLOT16.B14 SLOT16.B17 SLOT16.B20 SLOT16.B23 SLOT16.C1 SLOT16.C3 SLOT16.C4 SLOT16.C6 SLOT16.C7 SLOT16.C9 SLOT16.C10 SLOT16.C12 SLOT16.C13 SLOT16.C15 SLOT16.C16 SLOT16.C18 SLOT16.C19 SLOT16.C21 SLOT16.C22 SLOT16.C24 SLOT17.B2 SLOT17.B5 SLOT17.B8 SLOT17.B11 SLOT17.B14 SLOT17.B17 SLOT17.B20 SLOT17.B23 SLOT17.C1 SLOT17.C3 SLOT17.C4 SLOT17.C6 SLOT17.C7 SLOT17.C9 SLOT17.C10 SLOT17.C12 SLOT17.C13 SLOT17.C15 SLOT17.C16 SLOT17.C18 SLOT17.C19 SLOT17.C21 SLOT17.C22 SLOT17.C24 SLOT19.B2 SLOT19.B5 SLOT19.B8 SLOT19.B11 SLOT19.B14 SLOT19.B17 SLOT19.B20 SLOT19.B23 SLOT19.C1 SLOT19.C3 SLOT19.C4 SLOT19.C6 SLOT19.C7 SLOT19.C9 SLOT19.C10 SLOT19.C12 SLOT19.C13 SLOT19.C15 SLOT19.C16 SLOT19.C18 SLOT19.C19 SLOT19.C21 SLOT19.C22 SLOT19.C24 SLOT20.B2 SLOT20.B5 SLOT20.B8 SLOT20.B11 SLOT20.B14 SLOT20.B17 SLOT20.B20 SLOT20.B23 SLOT20.C1 SLOT20.C3 SLOT20.C4 SLOT20.C6 SLOT20.C7 SLOT20.C9 SLOT20.C10 SLOT20.C12 SLOT20.C13 SLOT20.C15 SLOT20.C16 SLOT20.C18 SLOT20.C19 SLOT20.C21 SLOT20.C22 SLOT20.C24
